# Altium PCB MAIN.PcbDoc (part 2 of 2)
Units mm, origin at the board's own origin, x right, y up, seen from the top; angles counter-clockwise.
Board outline 105.03 x 110.62 mm, 2 copper layers (Top Layer, Bottom Layer); 134 components, 144 nets, 618 pads, 962 vias.
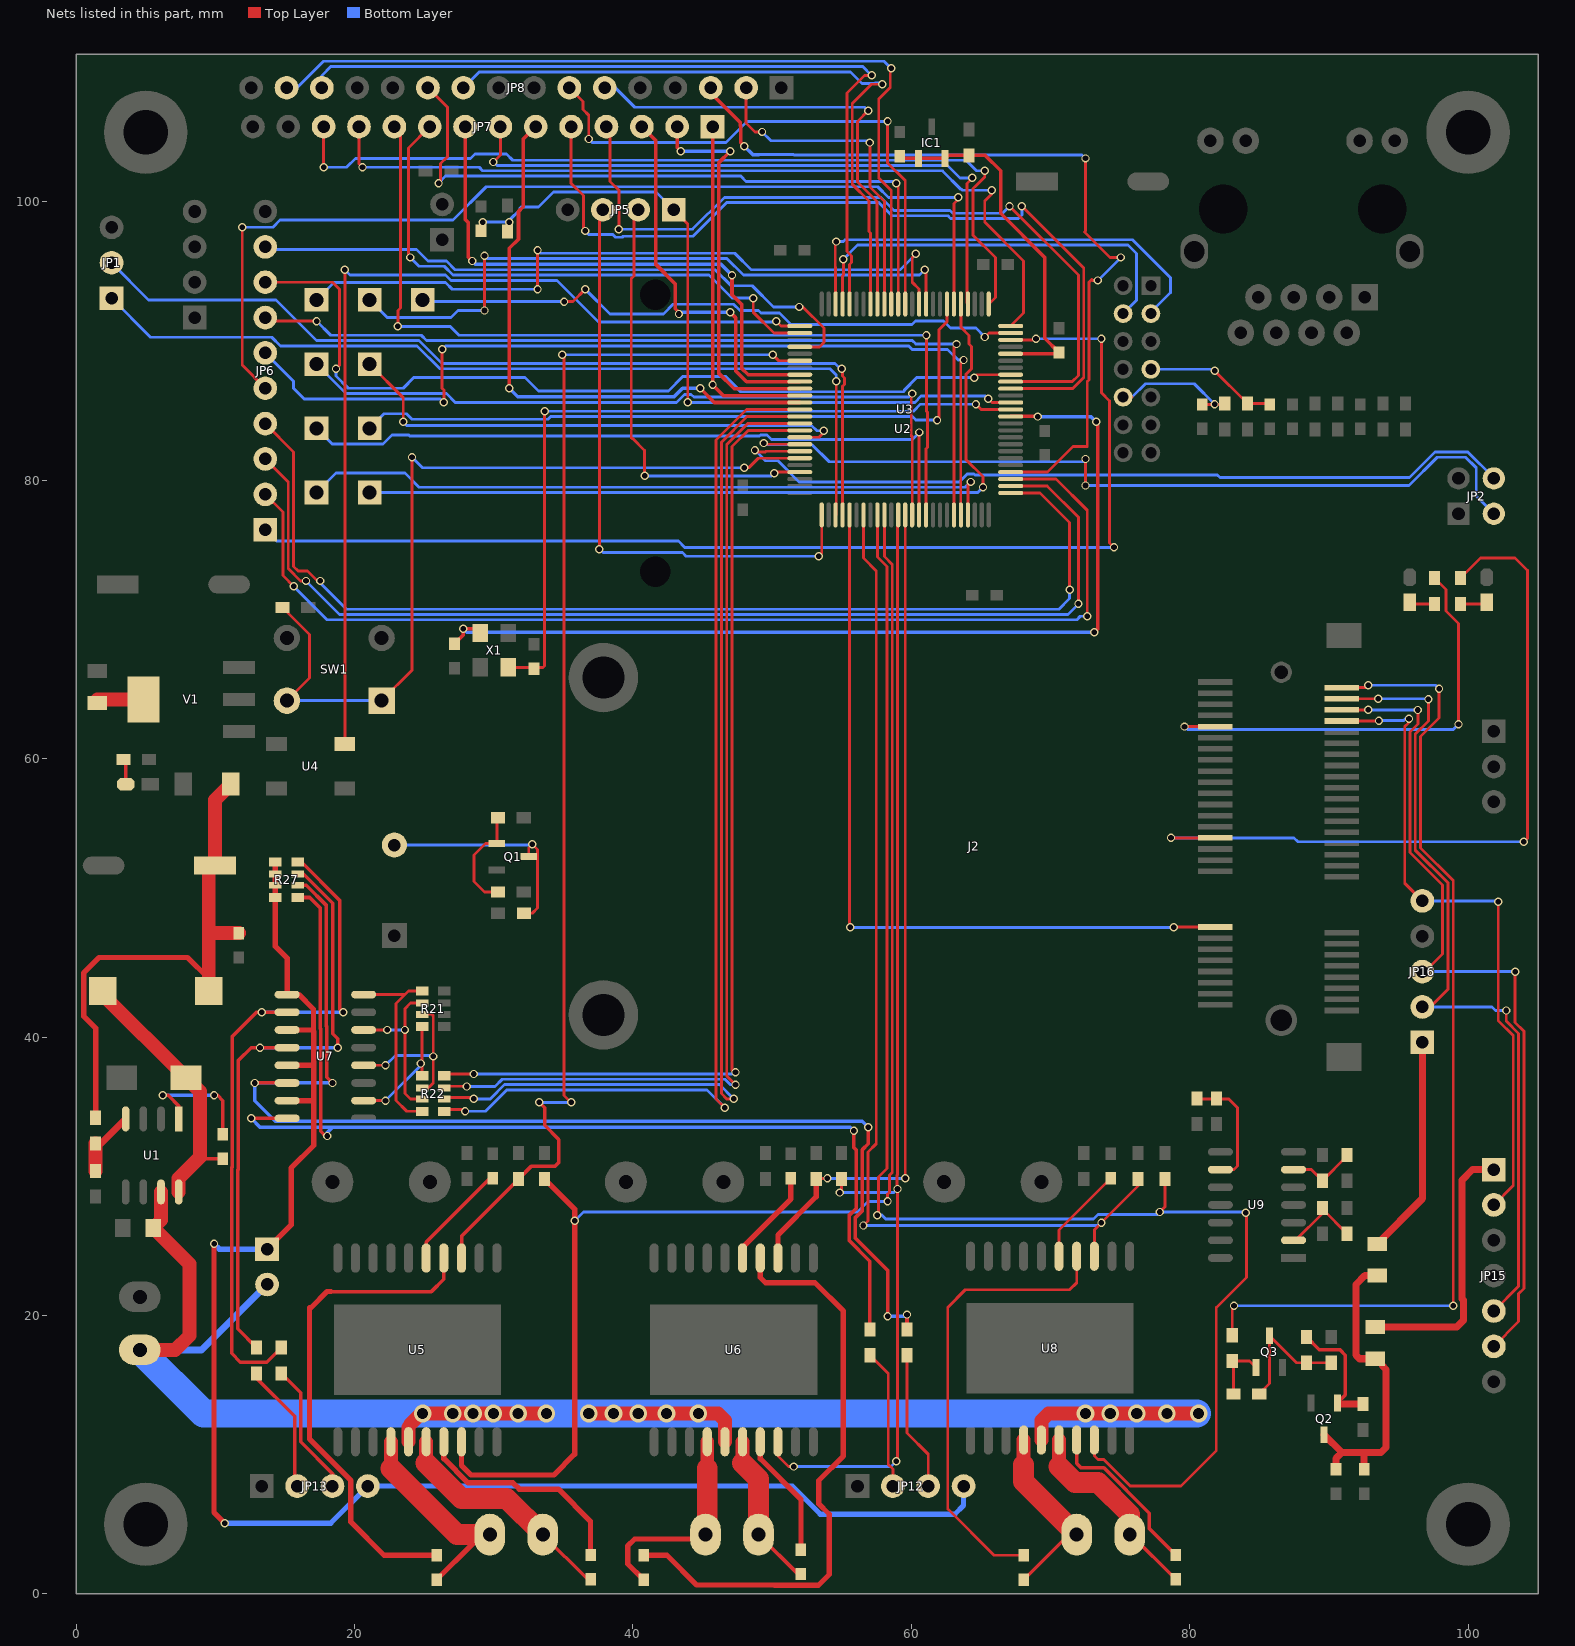
[diagram p2: the nets of this part, all layers, seen from the top]

## Via types
v1: diameter 0.6, hole 0.4, Top Layer to Bottom Layer, 826 vias
v2: diameter 0.66, hole 0.33, Top Layer to Bottom Layer, tented top, 120 vias
v3: diameter 1.27, hole 0.8, Top Layer to Bottom Layer, 16 vias

## Nets (pads, with @x,y where several pads share a name; then routed paths per layer and width w, separated by ;. In a path a pad name is that pad's centre, name@x,y a point inside that pad or via, vN(x,y) a via of type N, cw(c..) or ccw(c..) an arc to the next point about the centre after c; other vN are vias at no path point) (continued)
INPUT_A1: R19.1 U3.85 U5.8 | length 104.2
  Top Layer w0.203: U3.85@58.063,77.515 58.063,74.525 58.63,73.958 58.63,30.27 58.431,30.071 58.431,28.843 58.293,28.705 v1(58.293,28.194)
  Top Layer w0.381: U5.8@27.686,10.926 27.686,9.23 28.381,8.535 34.316,8.535 35.814,10.033 35.814,27.649 R19.1@33.655,29.808
  Bottom Layer w0.203: v1(35.814,26.797) 36.449,27.432 56.134,27.432 56.896,28.194 v1(58.293,28.194)
INPUT_A2: R13.1 U3.56 U5.13 | length 89.2
  Top Layer w0.203: v1(34.925,89.027) 35.052,88.9 35.052,35.814 v1(35.56,35.306) ; v1(50.038,89.027) 50.475,88.59 U3.56@51.988,88.59
  Top Layer w0.254: U5.13@27.686,24.126 27.686,25.702 R13.1@31.792,29.808 32.718,30.734 34.417,30.734 34.671,30.988 34.671,32.639 33.655,33.655 33.655,34.925 v1(33.274,35.306)
  Bottom Layer w0.203: v1(33.274,35.306) v1(35.56,35.306) ; v1(34.925,89.027) v1(50.038,89.027)
INPUT_B1: R20.1 U3.87 U6.8 | length 83.4
  Top Layer w0.203: U6.8@50.419,10.926 50.419,9.906 51.181,9.144 v1(51.562,9.144) ; v1(54.864,28.829) 54.991,28.956 R20.1@54.991,29.808 ; v1(58.928,9.525) 59.011,9.608 v1(59.011,29.083) 58.984,29.11 58.984,30.085 59.011,30.112 59.011,77.462 U3.87@59.063,77.515
  Bottom Layer w0.203: v1(51.562,9.144) 58.547,9.144 v1(58.928,9.525) ; v1(54.864,28.829) 58.757,28.829 v1(59.011,29.083)
INPUT_B2: R15.1 U3.88 U6.13 | length 61.1
  Top Layer w0.203: R15.1@53.171,29.808 53.208,29.845 v1(53.975,29.845) ; U3.88@59.563,77.515 v1(59.563,29.845) v1@59.69,29.718
  Top Layer w0.381: U6.13@50.419,24.126 50.419,25.781 53.171,28.533 R15.1@53.171,29.808
  Bottom Layer w0.203: v1(53.975,29.845) v1(59.563,29.845)
INPUT_C1: R29.1 U3.84 U8.8 | length 110.1
  Top Layer w0.203: v1(57.563,27.21) 57.642,27.289 57.642,29.956 58.249,30.563 58.249,73.801 57.563,74.486 U3.84@57.563,77.515 ; U8.8@73.152,11.053 73.152,9.906 73.406,9.652 73.821,9.652 75.726,7.747 79.375,7.747 81.915,10.287 81.915,20.574 84.074,22.733 84.074,27.339 v1(84.028,27.386) ; v1(77.851,27.432) 78.232,27.813 R29.1@78.232,29.808
  Bottom Layer w0.203: v1(57.563,27.21) 57.88,27.21 58.166,26.924 73.095,26.924 73.42,27.249 77.668,27.249 v1(77.851,27.432) 83.981,27.432 v1(84.028,27.386)
INPUT_C2: R23.1 U3.82 U8.13 | length 75.9
  Top Layer w0.203: v1@56.515,26.416 v1(56.563,26.464) 56.896,26.797 56.896,31.75 57.487,32.341 57.487,73.485 56.563,74.409 U3.82@56.563,77.515 ; U8.13@73.152,24.253 73.152,26.162 v1(73.66,26.67) 76.285,29.295 R23.1@76.285,29.808
  Bottom Layer w0.203: v1(56.563,26.464) 73.454,26.464 v1(73.66,26.67)
LPWM: J2.45 JP15.2 JP16.5 | length 46.8
  Top Layer w0.203: J2.45@90.932,62.71 93.571,62.71 v1(93.599,62.738) ; v1(95.758,62.865) 95.758,62.611 95.448,62.301 95.448,51.049 JP16.5@96.714,49.784 ; JP15.2@101.854,27.94 103.251,29.337 103.251,40.101 102.164,41.189 102.164,49.713 v1(102.171,49.721)
  Bottom Layer w0.203: v1(93.599,62.738) 95.377,62.738 v1@95.631,62.992 ; JP16.5@96.714,49.784 102.108,49.784 v1(102.171,49.721)
LRX: J2.49 JP15.5 JP16.2 | length 59.7
  Top Layer w0.203: J2.49@90.932,64.31 v1(93.551,64.31) v1@93.599,64.262 ; JP16.2@96.714,42.164 97.282,42.164 98.552,43.434 98.552,51.085 96.21,53.426 96.21,61.763 97.155,62.707 v1(97.155,64.262) ; JP15.5@101.854,20.32 103.632,22.098 103.632,40.259 102.743,41.148 v1(102.743,41.91)
  Bottom Layer w0.203: v1(93.551,64.31) 97.107,64.31 v1(97.155,64.262) ; JP16.2@96.714,42.164 101.727,42.164 101.981,41.91 v1(102.743,41.91)
LTX: J2.47 JP15.6 JP16.3 | length 60.9
  Top Layer w0.203: J2.47@90.932,63.51 v1(92.827,63.51) v1@92.837,63.5 ; v1(96.393,63.5) 96.393,62.484 95.829,61.92 95.829,53.269 98.171,50.927 98.171,45.974 96.901,44.704 JP16.3@96.714,44.704 ; JP15.6@101.854,17.78 103.632,19.558 103.632,21.559 104.013,21.94 104.013,40.417 103.378,41.052 v1(103.378,44.704)
  Bottom Layer w0.203: v1(92.827,63.51) v1@96.393,63.51 ; JP16.3@96.714,44.704 v1(103.378,44.704)
MLED: J2.24 R42.2 | length 54
  Top Layer w0.203: v1(78.659,54.31) J2.24@81.832,54.31 ; R42.2@99.445,72.974 100.893,74.422 103.378,74.422 104.267,73.533 104.267,54.285 v1(104.013,54.031)
  Bottom Layer w0.203: v1(78.659,54.31) 87.492,54.31 87.771,54.031 v1(104.013,54.031)
NCCMD: J2.16 U3.80 | length 55.9
  Top Layer w0.203: U3.80@55.563,77.515 55.563,48.196 55.626,48.133 v1(55.626,47.879) ; v1(78.867,47.879) 78.898,47.91 J2.16@81.832,47.91
  Bottom Layer w0.203: v1(55.626,47.879) v1(78.867,47.879)
NetB1_2: B1.2 Q1.3 R7.1 | length 16.8
  Top Layer w0.203: R7.1@32.169,48.895 32.766,48.895 33.147,49.276 33.147,53.467 v1(32.766,53.848) 32.512,53.594 Q1.3@32.512,52.959
  Bottom Layer w0.203: B1.2@22.86,53.796 32.714,53.796 v1(32.766,53.848)
NetC1_1: C1.1 U1.1 | length 9.3
  Top Layer w0.254: v1(6.223,35.814) 6.604,35.814 7.366,35.052 U1.1@7.366,34.121 ; v1(9.906,35.814) 10.16,35.814 10.541,35.433 C1.1@10.541,33.02
  Bottom Layer w0.254: v1(6.223,35.814) v1(9.906,35.814)
NetC1_2: C1.2 L1.1 U1.8 VD1.2 | length 19.7
  Top Layer w0.254: 8.89,31.369 8.992,31.267 C1.2@10.541,31.267
  Top Layer w1: L1.1@1.905,43.307 1.905,43.067 VD1.2@7.888,37.084 8.89,36.082 8.89,31.369 7.366,29.845 U1.8@7.366,28.871
NetC2_2: C2.2 E2.1 F1.1 L1.2 R1.2 | length 39.4
  Top Layer w0.381: R1.2@1.397,34.201 1.397,40.64 0.537,41.5 0.537,44.606 1.651,45.72 8.001,45.72 9.525,44.196 L1.2@9.525,43.307
  Top Layer w1: L1.2@9.525,43.307 9.525,47.498 ; F1.1@11.112,58.166 9.969,57.022 E2.1@9.969,52.324 9.525,51.88 9.525,47.498 ; C2.2@11.684,47.473 9.55,47.473 9.525,47.498
NetC6_1: C6.1 U3.13 X1.3 | length 54.8
  Top Layer w0.203: X1.3@31.039,66.573 31.064,66.548 33.528,66.548 33.655,66.675 v1(33.655,84.963) ; v1(64.643,85.471) 65.024,85.09 U3.13@67.138,85.09
  Bottom Layer w0.203: v1(33.655,84.963) 60.159,84.963 60.667,85.471 v1(64.643,85.471)
NetC7_1: C7.1 U3.12 X1.1 | length 69.6
  Top Layer w0.254: C7.1@27.178,68.253 27.813,68.888 v1(27.813,69.342) 28.727,69.342 X1.1@29.032,69.037 ; U3.12@67.138,84.59 v1@69.088,84.59 ; v1(73.152,69.088) 73.381,69.317 73.381,83.947 v1@73.203,84.125
  Bottom Layer w0.254: v1(27.813,69.342) 28.067,69.088 v1(73.152,69.088) ; v1(69.088,84.582) 72.898,84.582 v1(73.279,84.201)
NetC15_2: C15.2 U5.14 | length 35.8
  Top Layer w0.254: 18.288,21.717 25.527,21.717 26.416,22.606 U5.14@26.416,24.126
  Top Layer w0.381: 18.288,21.717 18.034,21.717 16.891,20.574 16.764,20.574 16.764,11.119 19.737,8.146 19.737,5.155 22.123,2.769 C15.2@25.908,2.769
NetC16_2: C16.2 U6.14 | length 43.1
  Top Layer w0.381: C16.2@40.767,2.769 42.443,2.769 44.577,0.635 50.165,0.635 ; U6.14@49.149,24.126 49.149,22.733 49.53,22.352 53.086,22.352 55.118,20.32 55.118,9.906 53.34,8.128 53.34,6.477 54.102,5.715 54.102,1.397 53.315,0.61 50.19,0.61 50.165,0.635 ; 50.419,0.635 50.165,0.635
NetC17_2: C17.2 U5.15 | length 7.8
  Top Layer w0.254: U5.15@25.146,24.126 25.146,25.273 29.743,29.87 C17.2@29.928,29.87
NetC18_1: C18.1 U5.7 | length 16
  Top Layer w0.381: U5.7@26.416,10.926 26.416,9.71 28.149,7.976 31.389,7.976 31.843,7.522 34.642,7.522 36.957,5.207 C18.1@36.957,2.794
NetC19_2: C19.2 U6.15 | length 7.2
  Top Layer w0.381: U6.15@47.879,24.126 47.879,24.892 51.349,28.362 C19.2@51.349,29.87
NetC20_1: C20.1 U6.7 | length 9
  Top Layer w0.381: U6.7@49.149,10.926 49.149,9.71 52.07,6.789 C20.1@52.07,3.175
NetC21_2: C21.2 U8.14 | length 33.2
  Top Layer w0.203: C21.2@68.072,2.769 65.938,2.769 62.625,6.082 62.625,20.588 63.881,21.844 71.374,21.844 71.882,22.352 U8.14@71.882,24.253
NetC26_2: C26.2 U8.15 | length 7.2
  Top Layer w0.203: U8.15@70.612,24.253 70.612,26.147 C26.2@74.336,29.87
NetC27_1: C27.1 U8.7 | length 12.2
  Top Layer w0.254: U8.7@71.882,11.053 71.882,9.366 72.192,9.056 73.843,9.056 77.097,5.802 77.097,4.691 C27.1@78.994,2.794
NetC30_2: C30.2 C31.2 L2.1 L3.1 Q2.3 | length 22.8
  Top Layer w0.203: L2.1@93.345,16.891 L2.1@93.853,16.383 ; 93.744,10.16 93.853,10.269
  Top Layer w0.508: Q2.3@89.662,11.43 90.932,10.16 ; C31.2@90.51,8.955 90.51,9.738 90.932,10.16 ; C30.2@92.538,8.955 92.538,9.959 92.338,10.16 ; L2.1@93.345,16.891 92.202,16.891 91.948,17.145 91.948,22.225 92.583,22.86 L3.1@93.472,22.86 ; 93.744,10.16 92.338,10.16 ; 93.853,10.269 94.107,10.523 94.107,16.129 L2.1@93.853,16.383 ; 90.932,10.16 92.338,10.16
NetF2_1: F2.1 V1.2@4.826,64.262 | length 3.6
  Top Layer w1: F2.1@1.524,64.008 1.524,64.262 V1.2@4.826,64.262
NetJP6_1: JP6.1 U3.23 | length 83.5
  Top Layer w0.203: U3.23@67.138,90.09 68.914,90.09 v1@68.961,90.043 ; v1(73.66,90.17) 73.66,86.29 74.239,85.711 74.239,75.509 v1(74.565,75.184) v1@74.676,75.184
  Bottom Layer w0.203: JP6.1@13.589,76.454 14.407,75.636 43.266,75.636 43.719,75.184 v1(74.565,75.184) ; v1(68.961,90.17) v1(73.66,90.17)
NetJP6_2: JP6.2 U3.3 | length 79.6
  Top Layer w0.203: JP6.2@13.589,78.994 14.859,77.724 14.859,73.152 v1(15.621,72.39) ; U3.3@67.138,80.09 70.405,80.09 72.644,77.851 v1(72.644,70.231)
  Bottom Layer w0.203: v1(15.621,72.39) 18.034,69.977 71.882,69.977 72.136,70.231 v1(72.644,70.231)
NetJP6_3: JP6.3 U3.2 | length 79
  Top Layer w0.203: JP6.3@13.589,81.534 15.24,79.883 15.24,73.66 16.129,72.771 v1(16.51,72.771) ; U3.2@67.138,79.59 69.762,79.59 72.009,77.343 v1(72.009,71.12)
  Bottom Layer w0.203: v1(16.51,72.771) 18.923,70.358 71.247,70.358 v1(72.009,71.12)
NetJP6_4: JP6.4 U3.1 | length 79.1
  Top Layer w0.203: JP6.4@13.589,84.074 15.621,82.042 15.621,73.818 15.954,73.485 16.615,73.485 17.329,72.771 v1(17.526,72.771) ; U3.1@67.138,79.09 69.246,79.09 71.374,76.962 v1(71.374,72.136)
  Bottom Layer w0.203: v1(17.526,72.771) 17.526,72.644 19.431,70.739 70.612,70.739 71.374,71.501 v1(71.374,72.136)
NetJP6_5: JP6.5 U3.31 | length 73.1
  Top Layer w0.203: v1(11.938,98.185) 11.938,88.265 JP6.5@13.589,86.614 ; U3.31@63.063,92.666 63.063,99.877 63.444,100.259 v1(63.373,100.33)
  Bottom Layer w0.203: v1(11.938,98.185) 14.134,98.185 14.642,98.693 27.065,98.693 29.464,101.092 57.593,101.092 58.355,100.33 v1(63.373,100.33)
NetJP6_6: JP6.6 U3.96 | length 67.7
  Top Layer w0.203: v1(26.289,89.408) 26.289,86.614 26.416,86.487 v1(26.416,85.598) ; U3.96@63.563,77.515 63.556,77.522 63.556,88.448 v1(63.754,88.646)
  Bottom Layer w0.203: JP6.6@13.589,89.154 15.621,87.122 15.621,86.614 16.383,85.852 26.162,85.852 v1(26.416,85.598) ; v1(26.289,89.408) 26.543,89.662 59.817,89.662 60.071,89.408 62.611,89.408 63.373,88.646 v1(63.754,88.646)
NetJP6_7: JP6.7 U3.95 | length 62.8
  Top Layer w0.203: JP6.7@13.589,91.694 13.843,91.44 v1(17.272,91.44) ; U3.95@63.063,77.515 63.063,89.606 v1(63.246,89.789)
  Bottom Layer w0.203: v1(17.272,91.44) 18.288,90.424 24.796,90.424 25.177,90.043 60.071,90.043 60.325,89.789 v1(63.246,89.789)
NetJP6_8: JP6.8 U3.18 | length 62.9
  Top Layer w0.203: JP6.8@13.589,94.234 18.415,94.234 18.923,93.726 18.923,88.265 v1(18.669,88.011) ; v1(64.516,87.376) 64.73,87.59 U3.18@67.138,87.59
  Bottom Layer w0.203: v1(18.669,88.011) 18.669,87.491 19.546,86.614 23.495,86.614 24.257,87.376 32.258,87.376 33.223,86.411 42.545,86.411 43.582,87.447 46.665,87.447 47.752,86.36 59.436,86.36 59.492,86.416 59.492,86.473 60.395,87.376 v1(64.516,87.376)
NetJP6_9: JP6.9 U3.54 | length 45.4
  Top Layer w0.203: v1(51.943,92.456) 52.197,92.456 53.721,90.932 53.721,89.916 53.395,89.59 U3.54@51.988,89.59
  Bottom Layer w0.203: JP6.9@13.589,96.774 13.772,96.591 24.44,96.591 25.273,95.758 26.605,95.758 27.24,95.123 45.917,95.123 47.06,93.98 48.571,93.98 50.095,92.456 v1(51.943,92.456)
NetJP7_1: JP7.1 U3.61 | length 25.1
  Top Layer w0.254: JP7.1@45.72,105.41 v1(45.72,86.868) 46.498,86.09 U3.61@51.988,86.09
NetJP7_2: JP7.2 U3.60 | length 28
  Top Layer w0.254: JP7.2@43.18,105.41 43.18,103.886 v1(43.434,103.632) ; v1(46.99,103.632) 46.152,102.794 46.152,87.706 47.268,86.59 U3.60@51.988,86.59
  Bottom Layer w0.254: v1(43.434,103.632) v1(46.99,103.632)
NetJP7_3: JP7.3 U3.59 | length 27.7
  Top Layer w0.254: JP7.3@40.64,105.41 41.656,104.394 41.656,95.504 43.053,94.107 43.053,92.329 43.307,92.075 v1(43.307,91.948) ; v1(46.99,92.075) 47.371,91.694 47.371,87.884 48.165,87.09 U3.59@51.988,87.09
  Bottom Layer w0.254: v1(43.307,91.948) 43.307,92.075 v1(46.99,92.075)
NetJP7_4: JP7.4 U3.17 | length 56.7
  Top Layer w0.203: JP7.4@38.1,105.41 38.354,105.156 38.354,101.473 38.989,100.838 v1(38.989,98.044) ; v1(67.056,99.695) 72.009,94.742 72.009,87.534 71.565,87.09 U3.17@67.138,87.09
  Bottom Layer w0.203: v1(38.989,98.044) 44.292,98.044 46.578,100.33 57.816,100.33 58.76,99.385 62.786,99.385 62.984,99.187 66.548,99.187 v1(67.056,99.695)
NetJP7_5: JP7.5 U3.16 | length 61.6
  Top Layer w0.203: JP7.5@35.56,105.41 35.56,101.346 36.449,100.457 36.449,98.044 v1(36.576,97.917) ; U3.16@67.138,86.59 71.604,86.59 72.39,87.376 72.39,95.25 v1(67.945,99.695)
  Bottom Layer w0.203: v1@36.449,98.044 v1(36.576,97.917) 36.83,97.663 38.551,97.663 38.749,97.465 39.229,97.465 39.3,97.536 44.323,97.536 46.736,99.949 57.658,99.949 58.603,99.004 62.628,99.004 62.826,98.806 67.691,98.806 67.945,99.06 v1(67.945,99.695)
NetJP7_6: JP7.6 U3.62 | length 41.4
  Top Layer w0.254: v1(31.115,86.614) 31.115,96.667 31.78,97.332 31.78,99.311 32.131,99.661 32.131,104.521 JP7.6@33.02,105.41 ; v1(44.831,86.614) 45.855,85.59 U3.62@51.988,85.59
  Bottom Layer w0.254: v1(31.115,86.614) 31.725,86.004 42.954,86.004 43.564,86.614 v1(44.831,86.614)
NetJP7_7: JP7.7 U3.29 | length 46.9
  Top Layer w0.203: v1(29.972,102.87) 30.48,103.378 JP7.7@30.48,105.41 ; U3.29@64.063,92.666 63.992,92.736 63.992,101.33 v1(64.389,101.727)
  Bottom Layer w0.203: v1(29.972,102.87) 30.226,102.616 62.611,102.616 63.5,101.727 v1(64.389,101.727)
NetJP7_8: JP7.8 U3.58 | length 40.3
  Top Layer w0.254: JP7.8@27.94,105.41 27.94,98.746 28.156,98.53 28.156,96.05 v1(28.448,95.758) ; v1(47.117,94.742) 47.117,93.345 47.803,92.659 47.803,88.063 48.275,87.59 U3.58@51.988,87.59
  Bottom Layer w0.254: v1(28.448,95.758) 28.677,95.529 46.33,95.529 v1(47.117,94.742)
NetJP7_9: JP7.9 U3.52 | length 41.1
  Top Layer w0.203: v1(24.003,96.012) 23.876,96.139 23.876,103.886 JP7.9@25.4,105.41 ; v1@48.768,93.218 v1(48.641,93.091) 48.641,92.075 50.126,90.59 U3.52@51.988,90.59
  Bottom Layer w0.203: v1(24.003,96.012) 24.638,95.377 26.447,95.377 27.082,94.742 45.466,94.742 47.117,93.091 v1(48.641,93.091)
NetJP7_10: JP7.10 U3.91 | length 65.8
  Top Layer w0.203: JP7.10@22.86,105.41 23.304,104.966 23.304,92.392 23.114,92.202 v1(23.114,91.059) ; U3.91@61.063,77.515 61.063,82.272 61.158,82.367 61.158,84.892 61.087,84.963 v1(61.087,90.424)
  Bottom Layer w0.203: v1(23.114,91.059) 23.128,91.045 26.872,91.045 27.494,90.424 v1(61.087,90.424)
NetJP7_11: JP7.11 U3.25 | length 60.4
  Top Layer w0.203: JP7.11@20.32,105.41 20.32,102.743 v1(20.574,102.489) ; v1(65.786,100.838) 65.786,100.584 65.278,100.076 65.278,98.552 68.072,95.758 68.072,92.024 U3.25@67.138,91.09
  Bottom Layer w0.203: v1(20.574,102.489) 28.956,102.489 29.21,102.235 62.23,102.235 63.556,100.909 63.613,100.909 63.684,100.838 v1(65.786,100.838)
NetJP7_12: JP7.12 U3.26 | length 62.1
  Top Layer w0.203: v1(17.78,102.489) JP7.12@17.78,105.41 ; v1(65.278,102.235) 65.278,101.797 64.629,101.148 64.627,101.148 64.444,100.965 64.444,97.608 66.04,96.012 66.04,93.143 U3.26@65.563,92.666
  Bottom Layer w0.203: v1(17.78,102.489) 19.431,102.489 20.066,103.124 28.321,103.124 28.646,103.449 30.917,103.449 31.369,102.997 63.938,102.997 64.7,102.235 v1(65.278,102.235)
NetJP8_2: JP8.2 U3.41 | length 24
  Top Layer w0.203: JP8.2@48.133,108.204 48.133,105.664 48.768,105.029 v1(49.276,105.029) ; v1(57.023,104.267) 57.023,101.084 58.063,100.044 U3.41@58.063,92.666
  Bottom Layer w0.203: v1(49.276,105.029) 49.911,104.394 56.896,104.394 v1(57.023,104.267)
NetJP8_3: JP8.3 U3.4 | length 59.9
  Top Layer w0.203: U3.4@67.138,80.59 69.795,80.59 71.628,82.423 72.644,82.423 72.644,87.091 72.771,87.218 72.771,94.234 72.962,94.424 73.025,94.361 v1(73.406,94.361) ; v1(72.517,103.124) 72.517,97.917 72.449,97.849 74.286,96.012 v1(75.057,96.012)
  Top Layer w0.254: JP8.3@45.593,108.204 45.593,107.823 47.727,105.689 47.727,105.47 47.752,105.445 47.752,104.267 v1(48.006,104.013)
  Bottom Layer w0.203: 49.022,103.403 51.537,103.403 51.562,103.378 72.263,103.378 v1(72.517,103.124) ; v1(73.406,94.361) v1(75.057,96.012)
  Bottom Layer w0.254: v1(48.006,104.013) 48.616,103.403 49.022,103.403
NetJP8_6: JP8.6 U3.42 | length 34.4
  Top Layer w0.203: v1(56.896,106.553) 56.134,105.791 56.134,101.434 57.531,100.037 57.531,97.155 57.563,97.123 U3.42@57.563,92.666
  Bottom Layer w0.203: JP8.6@37.973,108.204 38.735,108.204 40.132,106.807 56.642,106.807 v1(56.896,106.553)
NetJP8_7: JP8.7 U3.38 | length 40.1
  Top Layer w0.203: JP8.7@35.433,108.204 36.421,107.216 36.421,106.637 36.83,106.228 v1(36.83,104.521) ; v1(58.293,105.791) 58.293,102.8 59.563,101.53 U3.38@59.563,92.666
  Bottom Layer w0.203: v1(36.83,104.521) 37.07,104.281 46.686,104.281 48.196,105.791 v1(58.293,105.791)
NetJP8_10: JP8.10 U3.43 | length 48.6
  Top Layer w0.203: U3.43@57.063,92.666 57.063,97.773 56.967,97.868 56.967,100.062 55.753,101.276 55.753,107.061 57.15,108.458 v1(57.912,108.458)
  Bottom Layer w0.203: JP8.10@27.813,108.204 28.956,109.347 55.626,109.347 56.459,108.514 57.39,108.514 57.411,108.534 57.836,108.534 v1(57.912,108.458)
NetJP8_11: JP8.11 U3.39 | length 49.7
  Top Layer w0.203: JP8.11@25.273,108.204 26.67,106.807 26.67,103.246 26.175,102.751 26.175,101.486 v1(26.035,101.346) ; v1(58.928,101.346) 59.063,101.211 U3.39@59.063,92.666
  Bottom Layer w0.203: v1(26.035,101.346) 26.543,101.854 47.752,101.854 48.133,101.473 58.801,101.473 v1(58.928,101.346)
NetJP8_14: JP8.14 U3.46 | length 58.6
  Top Layer w0.203: U3.46@55.563,92.666 55.563,95.511 55.697,95.645 55.697,96.125 55.372,96.45 55.372,107.823 56.642,109.093 v1(57.15,109.093)
  Bottom Layer w0.203: JP8.14@17.653,108.204 17.653,109.093 18.288,109.728 56.515,109.728 v1(57.15,109.093)
NetJP8_15: JP8.15 U3.40 | length 62.1
  Top Layer w0.203: v1(58.547,109.601) 58.491,109.545 58.491,108.218 57.658,107.385 57.658,101.727 58.563,100.822 U3.40@58.563,92.666
  Bottom Layer w0.203: JP8.15@15.113,108.204 15.875,108.204 17.78,110.109 58.039,110.109 v1(58.547,109.601)
NetJP12_2: JP12.2 R26.1 | length 10.1
  Top Layer w0.203: R26.1@57.023,17.145 58.349,15.819 58.349,9.285 58.674,8.96 JP12.2@58.674,7.745
NetJP12_3: JP12.3 R24.1 | length 10
  Top Layer w0.203: R24.1@59.69,17.145 59.69,11.557 61.214,10.033 JP12.3@61.214,7.745
NetJP12_4: JP12.4 JP13.4 JP17.1 R27.1 R27.2 R27.3 R27.4 U7.1 U7.3 U7.5 U7.7 | length 117.7
  Top Layer w0.381: v1(9.906,25.146) 9.906,5.842 v1(10.668,5.08) ; JP17.1@13.716,24.765 15.443,26.492 15.443,30.584 17.067,32.209 17.067,35.306 ; R27.1@14.313,52.588 R27.2@14.313,51.708 R27.3@14.313,50.908 R27.4@14.313,50.028 14.313,46.52 15.157,45.676 U7.1@15.157,43.053 16.002,43.053 17.056,41.999 17.056,40.397 17.067,40.386 ; U7.7@15.157,35.433 16.94,35.433 17.067,35.306 ; U7.5@15.157,37.973 17.067,37.973 ; U7.3@15.157,40.513 16.94,40.513 17.067,40.386 ; 17.067,35.306 17.067,37.973 ; 17.067,37.973 17.067,40.386
  Bottom Layer w0.381: v1(9.906,25.146) 10.287,24.765 JP17.1@13.716,24.765 ; v1(10.668,5.08) 18.29,5.08 JP13.4@20.955,7.745 51.437,7.745 53.467,5.715 63.119,5.715 63.754,6.35 JP12.4@63.754,7.745
NetJP13_2: JP13.2 R31.1 | length 9.3
  Top Layer w0.254: R31.1@12.954,15.837 12.954,15.494 15.697,12.751 15.697,7.923 JP13.2@15.875,7.745
NetJP13_3: JP13.3 R30.1 | length 9.6
  Top Layer w0.254: R30.1@14.732,15.837 16.129,14.44 16.129,10.922 18.415,8.636 JP13.3@18.415,7.745
NetJP15_1: JP15.1 L2.2 | length 19.2
  Top Layer w0.508: L2.2@93.345,19.177 99.187,19.177 99.665,19.655 99.665,21.101 99.568,21.198 99.568,29.718 100.33,30.48 JP15.1@101.854,30.48
NetJP16_1: JP16.1 L3.2 | length 15.8
  Top Layer w0.508: L3.2@93.472,25.146 96.714,28.388 JP16.1@96.714,39.624
NetLED1_2: LED1.2 R3.2 | length 1.9
  Top Layer w0.254: LED1.2@3.556,58.159 R3.2@3.556,59.779
  Top Layer w0.381: R3.2@3.391,59.944 R3.2@3.556,59.779
NetLED2_1: LED2.1 R42.1 | length 1.9
  Top Layer w0.203: R42.1@99.445,71.12 101.212,71.12 LED2.1@101.339,71.247
NetLED3_1: LED3.1 R47.1 | length 1.8
  Top Layer w0.203: LED3.1@95.809,71.247 95.936,71.12 R47.1@97.602,71.12
NetQ1_1: Q1.1 R8.2 R9.1 | length 7.8
  Top Layer w0.203: R9.1@30.303,50.419 29.337,50.419 28.575,51.181 28.575,53.086 29.398,53.909 Q1.1@30.226,53.909 30.226,55.676 R8.2@30.303,55.753
NetQ2_1: Q2.1 R45.2 R46.2 | length 8.9
  Top Layer w0.203: Q2.1@90.612,13.617 Q2.1@90.612,13.716
  Top Layer w0.254: R45.2@88.392,18.453 89.319,17.526 90.805,17.526 91.186,17.145 91.186,14.29 Q2.1@90.612,13.716
  Top Layer w0.508: Q2.1@90.612,13.617 90.622,13.627 R46.2@92.456,13.627
NetQ3_1: Q3.1 R44.1 R48.2 | length 4.3
  Top Layer w0.203: R44.1@83.147,14.351 83.147,16.637 R48.2@83.058,16.726 84.305,16.726 Q3.1@84.775,16.256
NetQ3_3: Q3.3 R43.1 R44.2 R45.1 | length 9.7
  Top Layer w0.203: R44.2@85.001,14.351 85.001,14.389 85.725,15.113 Q3.3@85.725,18.542 87.668,16.599 R45.1@88.392,16.599 R43.1@90.17,16.599
NetR1_1: R1.1 R2.2 U1.4 | length 4.8
  Top Layer w0.508: R1.1@1.397,32.347 1.782,32.347 U1.4@3.556,34.121
  Top Layer w1: R2.2@1.397,30.391 R1.1@1.397,32.347
NetR21_1: R21.1 R22.8 U7.16 | length 14.4
  Top Layer w0.203: U7.16@20.657,43.053 23.622,43.053 ; R22.8@24.854,34.661 24.844,34.671 23.749,34.671 22.987,35.433 22.987,42.418 23.622,43.053 ; R21.1@24.854,43.317 23.886,43.317 23.622,43.053
NetR21_2: R21.2 R22.7 U7.14 | length 11.9
  Top Layer w0.203: U7.14@20.657,40.513 v1(22.352,40.513) ; R22.7@24.854,35.541 24.022,35.541 23.622,35.941 v1(23.622,40.513) 23.622,42.037 24.022,42.437 R21.2@24.854,42.437
  Bottom Layer w0.203: v1(22.352,40.513) v1(23.622,40.513)
NetR21_3: R21.3 R22.6 U7.12 | length 12
  Top Layer w0.203: U7.12@20.657,37.973 v1(22.225,37.973) ; R22.6@24.854,36.341 25.292,36.341 25.654,36.703 v1(25.654,38.608) 25.654,41.529 25.527,41.656 25.508,41.637 R21.3@24.854,41.637
  Bottom Layer w0.203: v1(22.225,37.973) 22.931,38.679 25.583,38.679 v1(25.654,38.608)
NetR21_4: R21.4 R22.5 U7.10 | length 8.8
  Top Layer w0.203: U7.10@20.657,35.433 v1(22.225,35.433) ; R22.5@24.854,37.221 R21.4@24.854,40.757
  Bottom Layer w0.203: v1(22.225,35.433) 24.765,37.973 v1(24.765,38.1)
NetR22_1: R22.1 U3.63 | length 76.6
  Top Layer w0.203: R22.1@26.454,34.661 26.581,34.788 26.66,34.788 26.67,34.798 27.813,34.798 v1(27.94,34.671) ; v1(46.609,34.925) 45.974,35.56 45.974,82.896 48.168,85.09 U3.63@51.988,85.09
  Bottom Layer w0.203: v1(27.94,34.671) 29.399,34.671 30.933,36.205 45.329,36.205 v1(46.609,34.925)
NetR22_2: R22.2 U3.64 | length 75.9
  Top Layer w0.203: R22.2@26.454,35.541 26.581,35.668 v1@28.575,35.668 ; v1(47.244,35.56) 46.736,35.56 46.355,35.941 46.355,82.739 48.207,84.59 U3.64@51.988,84.59
  Bottom Layer w0.203: v1(28.575,35.56) 29.749,35.56 30.775,36.586 46.218,36.586 v1(47.244,35.56)
NetR22_3: R22.3 U3.65 | length 73.7
  Top Layer w0.203: R22.3@26.289,36.195 26.562,36.468 28.048,36.468 v1(28.067,36.449) ; v1(47.371,36.576) 46.736,37.211 46.736,82.581 48.245,84.09 U3.65@51.988,84.09
  Bottom Layer w0.203: v1(28.067,36.449) 30.099,36.449 30.617,36.967 46.609,36.967 47,36.576 v1(47.371,36.576)
NetR22_4: R22.4 U3.66 | length 71.5
  Top Layer w0.203: R22.4@26.454,37.221 26.581,37.348 v1(28.575,37.348) ; v1(47.371,37.465) 47.244,37.465 47.117,37.592 47.117,82.423 48.284,83.59 U3.66@51.988,83.59
  Bottom Layer w0.203: v1(28.575,37.348) 47.127,37.348 47.244,37.465 v1(47.371,37.465)
NetR32_1: R32.1 R35.2 U9.2 | length 5.8
  Top Layer w0.203: U9.2@87.461,25.4 87.6,25.4 89.535,27.335 R32.1@89.535,27.648 ; R32.1@89.535,27.724 R32.1@89.535,27.648 ; R35.2@91.313,25.87 R32.1@89.535,27.648
NetR33_1: R33.1 R36.2 U9.6 | length 5
  Top Layer w0.203: U9.6@87.461,30.48 88.735,30.48 R33.1@89.535,29.68 91.313,31.458 R36.2@91.313,31.534
NetR34_1: R34.1 R37.2 U9.9 | length 8.7
  Top Layer w0.203: R34.1@80.518,35.598 80.556,35.56 82.804,35.56 83.439,34.925 83.439,30.734 83.185,30.48 U9.9@82.211,30.48
NetTP2_1: TP2.1 U3.24 | length 45
  Top Layer w0.203: v1(35.052,92.837) 35.687,92.837 v1(36.576,93.726) ; v1(65.278,90.297) 65.571,90.59 U3.24@67.138,90.59
  Bottom Layer w0.203: TP2.1@24.892,92.964 25.019,92.837 v1(35.052,92.837) ; v1(36.576,93.726) 38.351,91.951 42.187,91.951 42.891,92.654 47.23,92.654 47.682,92.202 49.022,92.202 49.205,92.019 50.532,92.019 51.365,91.186 60.04,91.186 60.294,91.44 62.318,91.44 62.826,90.932 64.643,90.932 v1(65.278,90.297)
NetTP3_1: TP3.1 U3.30 | length 58.4
  Top Layer w0.203: U3.30@63.563,92.666 63.563,90.996 64.143,90.416 64.143,89.8 64.333,89.61 64.333,88.019 63.937,87.623 63.937,81.478 65.151,80.264 v1(65.151,79.502)
  Bottom Layer w0.203: TP3.1@21.082,79.121 64.77,79.121 v1(65.151,79.502)
NetTP5_1: TP5.1 U3.32 | length 50.2
  Top Layer w0.203: v1(61.849,84.328) 61.984,84.463 61.984,90.813 62.563,91.392 U3.32@62.563,92.666
  Bottom Layer w0.203: TP5.1@21.082,83.735 22.127,84.78 23.735,84.78 24.132,84.384 33.895,84.384 34.093,84.582 60.071,84.582 60.325,84.328 v1(61.849,84.328)
NetTP6_1: TP6.1 U3.67 | length 37.5
  Top Layer w0.203: TP6.1@21.082,88.35 23.495,85.937 v1(23.495,84.201) ; U3.67@51.988,83.09 53.372,83.09 v1@53.721,83.439
  Bottom Layer w0.203: v1(23.495,84.201) 23.749,83.947 52.832,83.947 53.213,83.566 v1(53.721,83.566)
NetTP9_1: TP9.1 U3.35 | length 47.8
  Top Layer w0.203: v1(29.337,92.202) v1(29.337,96.139) ; v1(60.96,95.123) 61.063,95.02 U3.35@61.063,92.666
  Bottom Layer w0.203: TP9.1@21.082,92.964 22.352,91.694 26.924,91.694 27.432,92.202 v1(29.337,92.202) ; v1(29.337,96.139) 29.54,95.936 46.743,95.936 47.936,94.742 60.579,94.742 v1(60.96,95.123)
NetTP10_1: TP10.1 U3.36 | length 51.5
  Top Layer w0.203: v1(33.147,93.726) v1(33.147,96.52) ; v1(60.325,96.266) 60.071,96.012 60.071,94.234 60.563,93.742 U3.36@60.563,92.666
  Bottom Layer w0.203: TP10.1@17.272,92.964 18.527,94.219 26.528,94.219 27.02,93.726 v1(33.147,93.726) ; v1(33.147,96.52) 33.35,96.317 47.32,96.317 48.514,95.123 59.182,95.123 v1(60.325,96.266)
NetTP12_1: TP12.1 U3.89 | length 53.1
  Top Layer w0.203: U3.89@60.063,77.515 60.071,77.523 60.071,83.128 60,83.199 60,86.162 v1(60.071,86.233)
  Bottom Layer w0.203: TP12.1@17.272,88.35 19.389,86.233 26.6,86.233 27.235,85.598 43.123,85.598 43.702,86.177 44.182,86.177 44.38,85.979 59.817,85.979 v1(60.071,86.233)
NetTP13_1: TP13.1 U3.90 | length 50.4
  Top Layer w0.203: U3.90@60.563,77.515 60.563,83.423 v1(60.579,83.439)
  Bottom Layer w0.203: TP13.1@17.272,83.735 18.401,82.606 22.048,82.606 22.698,83.256 23.901,83.256 23.972,83.185 49.092,83.185 49.163,83.256 49.643,83.256 49.968,82.931 60.071,82.931 v1(60.579,83.439)
NetTP15_1: TP15.1 U3.97 | length 50.6
  Top Layer w0.203: U3.97@64.063,77.515 64.063,79.684 v1(64.262,79.883)
  Bottom Layer w0.203: TP15.1@17.272,79.121 18.669,80.518 23.622,80.518 24.638,79.502 63.881,79.502 v1(64.262,79.883)
NL5VEN: J2.51 R48.1 | length 70.9
  Top Layer w0.203: R48.1@83.058,18.58 83.058,20.574 v1(83.185,20.701) ; J2.51@90.932,65.11 92.669,65.11 v1(92.837,65.278) ; v1(97.917,65.024) 97.917,62.93 96.591,61.605 96.591,53.584 98.933,51.243 v1(98.933,20.701)
  Bottom Layer w0.203: v1(83.185,20.701) v1(98.933,20.701) ; v1(92.837,65.278) 97.663,65.278 v1(97.917,65.024)
NRELOAD: C3.2 R4.2 U2.10 | length 9.9
  Top Layer w0.203: U2.10@75.216,85.98 U2.10@75.866,85.98 ; C3.2@80.899,85.445 82.459,85.445 R4.2@82.523,85.509
  Bottom Layer w0.203: U2.10@75.216,85.98 75.866,85.98 76.821,86.934 80.325,86.934 v1(81.788,85.471)
NRST: C5.1 JP5.1 R10.1 U3.14 | length 54.7
  Top Layer w0.203: C5.1@29.083,97.917 29.083,98.425 v1(29.21,98.552) ; R10.1@30.988,97.879 30.988,98.425 v1(31.115,98.552) ; JP5.1@42.926,99.441 43.942,98.425 v1(43.942,85.598) ; v1(65.532,85.852) 65.794,85.59 U3.14@67.138,85.59
  Bottom Layer w0.203: v1(29.21,98.552) v1(31.115,98.552) 31.115,98.681 31.877,99.443 31.877,99.568 31.948,99.639 33.218,99.639 34.29,100.711 41.656,100.711 JP5.1@42.926,99.441 ; v1@43.815,85.471 v1(43.942,85.598) 60.255,85.598 60.708,86.05 65.334,86.05 v1(65.532,85.852)
OUTPUT_A1: C18.2 JP9.2 U5.6 | length 16.8
  Top Layer w0.254: JP9.2@33.528,4.256 36.742,1.041 C18.2@36.957,1.041
  Top Layer w1: 25.146,9.398 U5.6@25.146,10.926
  Top Layer w1.5: 25.146,9.398 27.686,6.858 30.926,6.858 JP9.2@33.528,4.256
OUTPUT_A2: C15.1 JP9.1 U5.4 | length 15.3
  Top Layer w0.381: C15.1@25.908,1.016 28.448,3.556 28.448,4.256
  Top Layer w1: 22.606,9.017 U5.4@22.606,10.926
  Top Layer w1.5: 22.606,9.017 27.367,4.256 28.448,4.256 JP9.1@29.718,4.256
OUTPUT_B1: C20.2 JP10.2 U6.6 | length 11.4
  Top Layer w0.254: JP10.2@49.022,4.256 51.855,1.422 C20.2@52.07,1.422
  Top Layer w1: 47.879,9.398 U6.6@47.879,10.926
  Top Layer w1.5: 47.879,9.398 49.022,8.255 JP10.2@49.022,4.256
OUTPUT_B2: C16.1 JP10.1 U6.4 | length 15.4
  Top Layer w0.381: C16.1@40.767,1.016 39.624,2.159 39.624,3.429 40.132,3.937 44.893,3.937 JP10.1@45.212,4.256
  Top Layer w1: 45.339,9.017 U6.4@45.339,10.926
  Top Layer w1.5: JP10.1@45.339,4.383 45.339,9.017
OUTPUT_C1: C27.2 JP11.2 U8.6 | length 14.5
  Top Layer w0.254: JP11.2@75.692,4.256 75.78,4.256 C27.2@78.994,1.041
  Top Layer w1: 70.612,9.144 U8.6@70.612,11.053
  Top Layer w1.5: 70.612,9.144 71.755,8.001 73.406,8.001 75.692,5.715 JP11.2@75.692,4.256
OUTPUT_C2: C21.1 JP11.1 U8.4 | length 13.5
  Top Layer w0.254: C21.1@68.072,1.016 71.312,4.256 JP11.1@71.882,4.256
  Top Layer w1: 68.072,9.271 U8.4@68.072,11.053
  Top Layer w1.5: 68.072,9.271 68.072,8.066 JP11.1@71.882,4.256
PA9: JP2.3 U3.68 | length 61.4
  Top Layer w0.203: v1(49.403,82.677) 49.49,82.59 U3.68@51.988,82.59 ; v1(72.517,79.629) v1(72.517,81.534)
  Bottom Layer w0.203: v1@49.332,82.748 v1(49.403,82.677) 49.53,82.55 52.884,82.55 54.102,81.332 72.315,81.332 v1(72.517,81.534) ; v1(72.517,79.629) 95.758,79.629 97.79,81.661 99.822,81.661 100.584,80.899 100.584,78.867 JP2.3@101.854,77.597
PA10: JP2.4 U3.69 | length 59.3
  Top Layer w0.203: v1@48.768,82.042 49.53,82.042 49.578,82.09 U3.69@51.988,82.09
  Bottom Layer w0.203: v1@48.768,82.042 v1(48.768,82.169) 49.53,81.407 50.419,81.407 51.943,79.883 63.443,79.883 64.022,80.462 64.502,80.462 64.573,80.391 81.985,80.391 82.183,80.193 95.783,80.193 97.632,82.042 99.98,82.042 101.854,80.168 JP2.4@101.854,80.137
PA11: R6.2 SW1.1 SW1.4 U3.70 | length 61.8
  Top Layer w0.203: R6.2@14.821,70.866 16.764,68.923 16.764,65.793 SW1.4@15.142,64.171 ; SW1.1@21.942,64.171 24.13,66.359 v1(24.13,81.661) ; v1(48.006,80.899) 48.317,80.899 49.009,81.59 U3.70@51.988,81.59
  Bottom Layer w0.203: SW1.4@15.142,64.171 SW1.1@21.942,64.171 ; v1(24.13,81.661) 24.892,80.899 v1(48.006,80.899)
PA13: JP5.2 U3.72 | length 31
  Top Layer w0.203: JP5.2@40.386,99.441 40.076,99.131 40.076,94.686 39.878,94.488 39.878,83.058 39.934,83.002 39.991,83.002 40.838,82.155 v1(40.838,80.32) ; v1(50.165,80.518) 50.237,80.59 U3.72@51.988,80.59
  Bottom Layer w0.203: v1(40.838,80.32) 49.967,80.32 v1(50.165,80.518)
PA14: JP5.3 U3.76 | length 43.5
  Top Layer w0.203: v1(37.592,75.057) 37.592,99.187 JP5.3@37.846,99.441 ; v1(53.34,74.549) 53.563,74.772 U3.76@53.563,77.515
  Bottom Layer w0.203: v1(37.592,75.057) 37.84,74.809 43.555,74.809 43.815,74.549 v1(53.34,74.549)
PB10: U2.3 U3.48 | length 32.9
  Top Layer w0.203: U3.48@54.563,92.666 54.563,95.33 54.539,95.354 54.539,97.084 v1(54.61,97.155)
  Bottom Layer w0.203: v1(54.61,97.155) 55.118,97.155 55.245,97.282 75.884,97.282 78.613,94.553 78.613,93.482 77.216,92.085 U2.3@77.216,91.98
PB11: U2.4 U3.47 | length 29.7
  Top Layer w0.203: U3.47@55.063,92.666 55.063,94.687 55.118,94.742 v1(55.118,95.885)
  Bottom Layer w0.203: v1(55.118,95.885) 56.134,96.901 75.565,96.901 76.17,96.296 76.17,92.934 U2.4@75.216,91.98
PB12: U3.51 U4.4 | length 68.5
  Top Layer w0.203: U4.4@19.299,61.064 19.304,61.069 v1(19.304,95.123) ; v1(50.292,91.44) 50.642,91.09 U3.51@51.988,91.09
  Bottom Layer w0.203: v1(19.304,95.123) 19.685,94.742 26.543,94.742 26.924,94.361 34.544,94.361 37.536,91.369 50.221,91.369 v1(50.292,91.44)
PC10_TX: JP1.1 U3.78 | length 64.4
  Top Layer w0.203: U3.78@54.563,77.515 54.61,77.562 v1(54.61,87.122)
  Bottom Layer w0.203: JP1.1@2.54,93.091 5.348,90.283 14.057,90.283 14.678,89.662 24.48,89.662 26.131,88.011 54.172,88.011 54.61,87.573 v1(54.61,87.122)
PC11_RX: JP1.2 U3.79 | length 66.4
  Top Layer w0.203: v1(54.991,88.011) 55.063,87.939 55.063,87.488 55.189,87.362 55.189,86.882 55.063,86.756 U3.79@55.063,77.515
  Bottom Layer w0.203: JP1.2@2.54,95.631 5.207,92.964 14.351,92.964 17.272,90.043 24.638,90.043 26.289,88.392 54.506,88.392 54.991,87.907 v1(54.991,88.011)
RESET: C4.2 R5.2 U2.7 | length 9.9
  Top Layer w0.203: v1@81.675,87.98 R5.2@84.146,85.509 85.702,85.509 C4.2@85.767,85.445
  Bottom Layer w0.203: U2.7@77.216,87.98 81.692,87.98 v1@81.915,87.757
  other v1: 81.804,87.868
RIN13: R27.8 R30.2 U7.2 | length 49.8
  Top Layer w0.254: R30.2@14.732,17.691 13.691,16.65 11.798,16.65 11.176,17.272 11.176,30.646 11.227,30.697 11.227,40.056 12.954,41.783 v1(13.335,41.783) U7.2@15.157,41.783 ; R27.8@15.913,52.588 16.164,52.588 18.923,49.829 18.923,42.037 v1(19.177,41.783)
  Bottom Layer w0.254: v1(13.335,41.783) v1(19.177,41.783)
RIN14: R27.7 R31.2 U7.4 | length 44.8
  Top Layer w0.254: R31.2@12.954,17.691 11.608,19.037 11.608,30.467 11.659,30.518 11.659,38.329 12.573,39.243 v1(13.208,39.243) U7.4@15.157,39.243 ; R27.7@15.913,51.708 16.34,51.708 18.426,49.621 18.426,40.248 18.796,39.878 v1@18.796,39.065 ; v1@18.72,39.243 v1(18.796,39.243)
  Bottom Layer w0.254: v1(13.208,39.243) v1(18.796,39.243)
RIN15: R24.2 R27.6 U7.6 | length 87.1
  Top Layer w0.254: v1(12.827,36.703) U7.6@15.157,36.703 ; R27.6@15.913,50.908 16.529,50.908 17.983,49.454 17.983,40.781 17.994,40.77 17.994,37.124 v1(18.415,36.703) ; v1(56.896,33.528) 56.896,32.325 56.49,31.918 56.49,27.534 55.958,27.002 55.958,25.576 58.293,23.241 v1(58.293,19.939) ; R24.2@59.69,18.999 v1(59.69,20.066)
  Bottom Layer w0.254: v1(18.415,36.703) v1(12.827,36.703) 12.827,35.433 14.3,33.96 56.464,33.96 v1(56.896,33.528) ; v1(58.293,19.939) 59.563,19.939 v1(59.69,20.066)
RIN16: R26.2 R27.5 U7.8 | length 80.7
  Top Layer w0.254: v1(12.573,34.163) U7.8@15.157,34.163 ; R27.5@15.913,50.028 16.754,50.028 16.764,50.038 17.551,49.251 17.551,40.602 17.563,40.591 17.563,33.237 v1@17.907,32.893 ; v1(55.88,33.274) 55.88,32.055 56.058,31.877 56.058,27.712 55.526,27.181 55.526,25.397 57.023,23.9 R26.2@57.023,18.999
  Bottom Layer w0.254: v1(12.573,34.163) 13.208,33.528 18.415,33.528 ; v1(18.034,32.893) 18.034,33.147 18.415,33.528 ; v1(55.88,33.274) 55.626,33.528 18.415,33.528
VIN: E1.1 J1.2 JP17.2 U1.7 U5.5 U6.5 U8.5 | length 140.1
  Top Layer w1: J1.2@4.572,17.526 7.112,17.526 8.128,18.542 8.128,23.706 E1.1@5.545,26.289 6.096,26.84 U1.7@6.096,28.871 ; U5.5@23.876,10.926 U5.5@23.876,11.938 ; 24.003,12.192 24.765,12.954 v3(24.892,12.954) v3(27.051,12.954) v3(28.511,12.954) v3(29.972,12.954) v3(31.75,12.954) v3(33.782,12.954) ; v3(36.83,12.954) v3(38.608,12.954) v3(40.386,12.954) v3(42.418,12.954) v3(44.704,12.954) 46.101,12.954 46.609,12.446 U6.5@46.609,10.926 ; U8.5@69.342,11.053 69.342,12.446 69.85,12.954 v3(72.517,12.954) v3(74.295,12.954) v3(76.2,12.954) v3(78.359,12.954) v3(80.645,12.954)
  Bottom Layer w0.508: J1.2@4.572,17.526 9.017,17.526 JP17.2@13.716,22.225
  Bottom Layer w2: J1.2@4.572,17.526 9.144,12.954 v3(24.892,12.954) v3(27.051,12.954) v3(28.511,12.954) v3(29.972,12.954) v3(31.75,12.954) v3(36.83,12.954) v3(38.608,12.954) v3(40.386,12.954) v3(42.418,12.954) v3(44.704,12.954) v3(72.517,12.954) v3(74.295,12.954) v3(76.2,12.954) v3(78.359,12.954) v3@80.518,12.954
VREF+: C13.2 C14.2 IC1.1 IC1.2 R12.2 U3.21 | length 26.2
  Top Layer w0.254: C13.2@59.055,103.124 IC1.1@60.518,103.124 IC1.2@62.418,103.124 62.634,103.34 R12.2@64.135,103.34 65.316,103.34 66.421,102.235 66.421,99.187 69.596,96.012 69.596,90.195 C14.2@70.612,89.179 70.523,89.09 U3.21@67.138,89.09
WLED: J2.44 R47.2 | length 33.3
  Top Layer w0.203: v1(79.629,62.31) J2.44@81.832,62.31 ; R47.2@97.602,72.974 98.425,72.151 98.425,70.612 99.314,69.723 v1(99.314,62.484)
  Bottom Layer w0.203: v1(79.629,62.31) 79.836,62.103 98.933,62.103 v1(99.314,62.484)
pads on no net: J2.0 J2.1 J2.5 J2.6 J2.7 J2.11 J2.13 J2.17 J2.19 J2.20 J2.22 J2.30 J2.32 J2.36 J2.38 J2.39 J2.41 J2.55 J2.56 RJ1.0 RJ1.7 U1.2 U1.3 U1.5 U2.0 U2.5 U2.6 U2.8 U2.9 U2.11 U2.12 U2.13 U2.14 U3.5 U3.6 U3.7 U3.8 U3.9 U3.37 U3.53 U3.55 U3.57 U3.73 U3.81 U3.86 U3.92 U3.93 U3.98 U4.2 U5.2 U5.3 U5.9 U5.12 U5.18 U5.19 U5.21 U6.2 U6.3 U6.9 U6.12 U6.18 U6.19 U6.21 U8.2 U8.3 U8.9 U8.12 U8.18 U8.19 U8.21 U9.12 U9.13 U9.14 V1.2@11.684,64.262
copper on no net:
  other v2: 20.311,15.126 21.511,15.126 22.711,15.126 23.911,15.126 25.111,15.126 26.311,15.126 27.511,15.126 28.711,15.126 43.044,15.126 44.244,15.126 45.444,15.126 46.644,15.126 47.844,15.126 49.044,15.126 50.244,15.126 51.444,15.126 65.777,15.253 66.977,15.253 68.177,15.253 69.377,15.253 70.577,15.253 71.777,15.253 72.977,15.253 74.177,15.253 20.311,16.326 21.511,16.326 22.711,16.326 23.911,16.326 25.111,16.326 26.311,16.326 27.511,16.326 28.711,16.326 43.044,16.326 44.244,16.326 45.444,16.326 46.644,16.326 47.844,16.326 49.044,16.326 50.244,16.326 51.444,16.326 65.777,16.453 66.977,16.453 68.177,16.453 69.377,16.453 70.577,16.453 71.777,16.453 72.977,16.453 74.177,16.453 20.311,17.526 21.511,17.526 22.711,17.526 23.911,17.526 25.111,17.526 26.311,17.526 27.511,17.526 28.711,17.526 43.044,17.526 44.244,17.526 45.444,17.526 46.644,17.526 47.844,17.526 49.044,17.526 50.244,17.526 51.444,17.526 65.777,17.653 66.977,17.653 68.177,17.653 69.377,17.653 70.577,17.653 71.777,17.653 72.977,17.653 74.177,17.653 20.311,18.726 21.511,18.726 22.711,18.726 23.911,18.726 25.111,18.726 26.311,18.726 27.511,18.726 28.711,18.726 43.044,18.726 44.244,18.726 45.444,18.726 46.644,18.726 47.844,18.726 49.044,18.726 50.244,18.726 51.444,18.726 65.777,18.853 66.977,18.853 68.177,18.853 69.377,18.853 70.577,18.853 71.777,18.853 72.977,18.853 74.177,18.853 20.311,19.926 21.511,19.926 22.711,19.926 23.911,19.926 25.111,19.926 26.311,19.926 27.511,19.926 28.711,19.926 43.044,19.926 44.244,19.926 45.444,19.926 46.644,19.926 47.844,19.926 49.044,19.926 50.244,19.926 51.444,19.926 65.777,20.053 66.977,20.053 68.177,20.053 69.377,20.053 70.577,20.053 71.777,20.053 72.977,20.053 74.177,20.053

## Polygon pours and split planes (outlines as drawn)
GND on Top Layer "Top Layer-No Net" (solid, remove dead copper, pour order 4): -0.471,111.041 -0.471,0.424 104.529,0.424 104.529,111.041 -0.471,111.041
GND on Bottom Layer "Top Layer-No Net" (solid, pour order 3): 0.037,110.58 0.037,-0.037 105.037,-0.037 105.037,110.58 0.037,110.58

## Keep-outs
Keep-Out Layer:
  lines w0.254: 105,0 0,0 0,110.617 105.029,110.617 105.029,0

## Silkscreen, mask and mechanical layers (free items; w line width, h text height)
Top Overlay:
  text "-" at 4.826,24.257 h3 r90
  text "+" at 3.937,13.716 h3
  text "牵引棒" at 77.851,5.334 h3

## Text inside footprints (layer, text, board x,y; h text height)
J2: Top Overlay "1" at 90.513,40.81 h0.8 r270
JP2: Top Overlay "3" at 103.378,77.089 h1.02; Top Overlay "4" at 103.378,79.629 h1.02; Top Overlay "2" at 96.774,79.629 h1.02; Top Overlay "1" at 97.028,77.089 h1.02
RJ1: Top Layer "J10" at 81.788,91.186 h0.64 r90